# Altium PCB Driver_BLDC.PcbDoc (part 2 of 3)
Units mm, origin at the board's own origin, x right, y up, seen from the top; angles counter-clockwise.
Board outline 320 x 180.01 mm, 2 copper layers (Top Layer, Bottom Layer), stack 1.371 mm thick; 416 components, 166 nets, 1100 pads, 409 vias.
Unrouted connection lines stored in the file: 1.
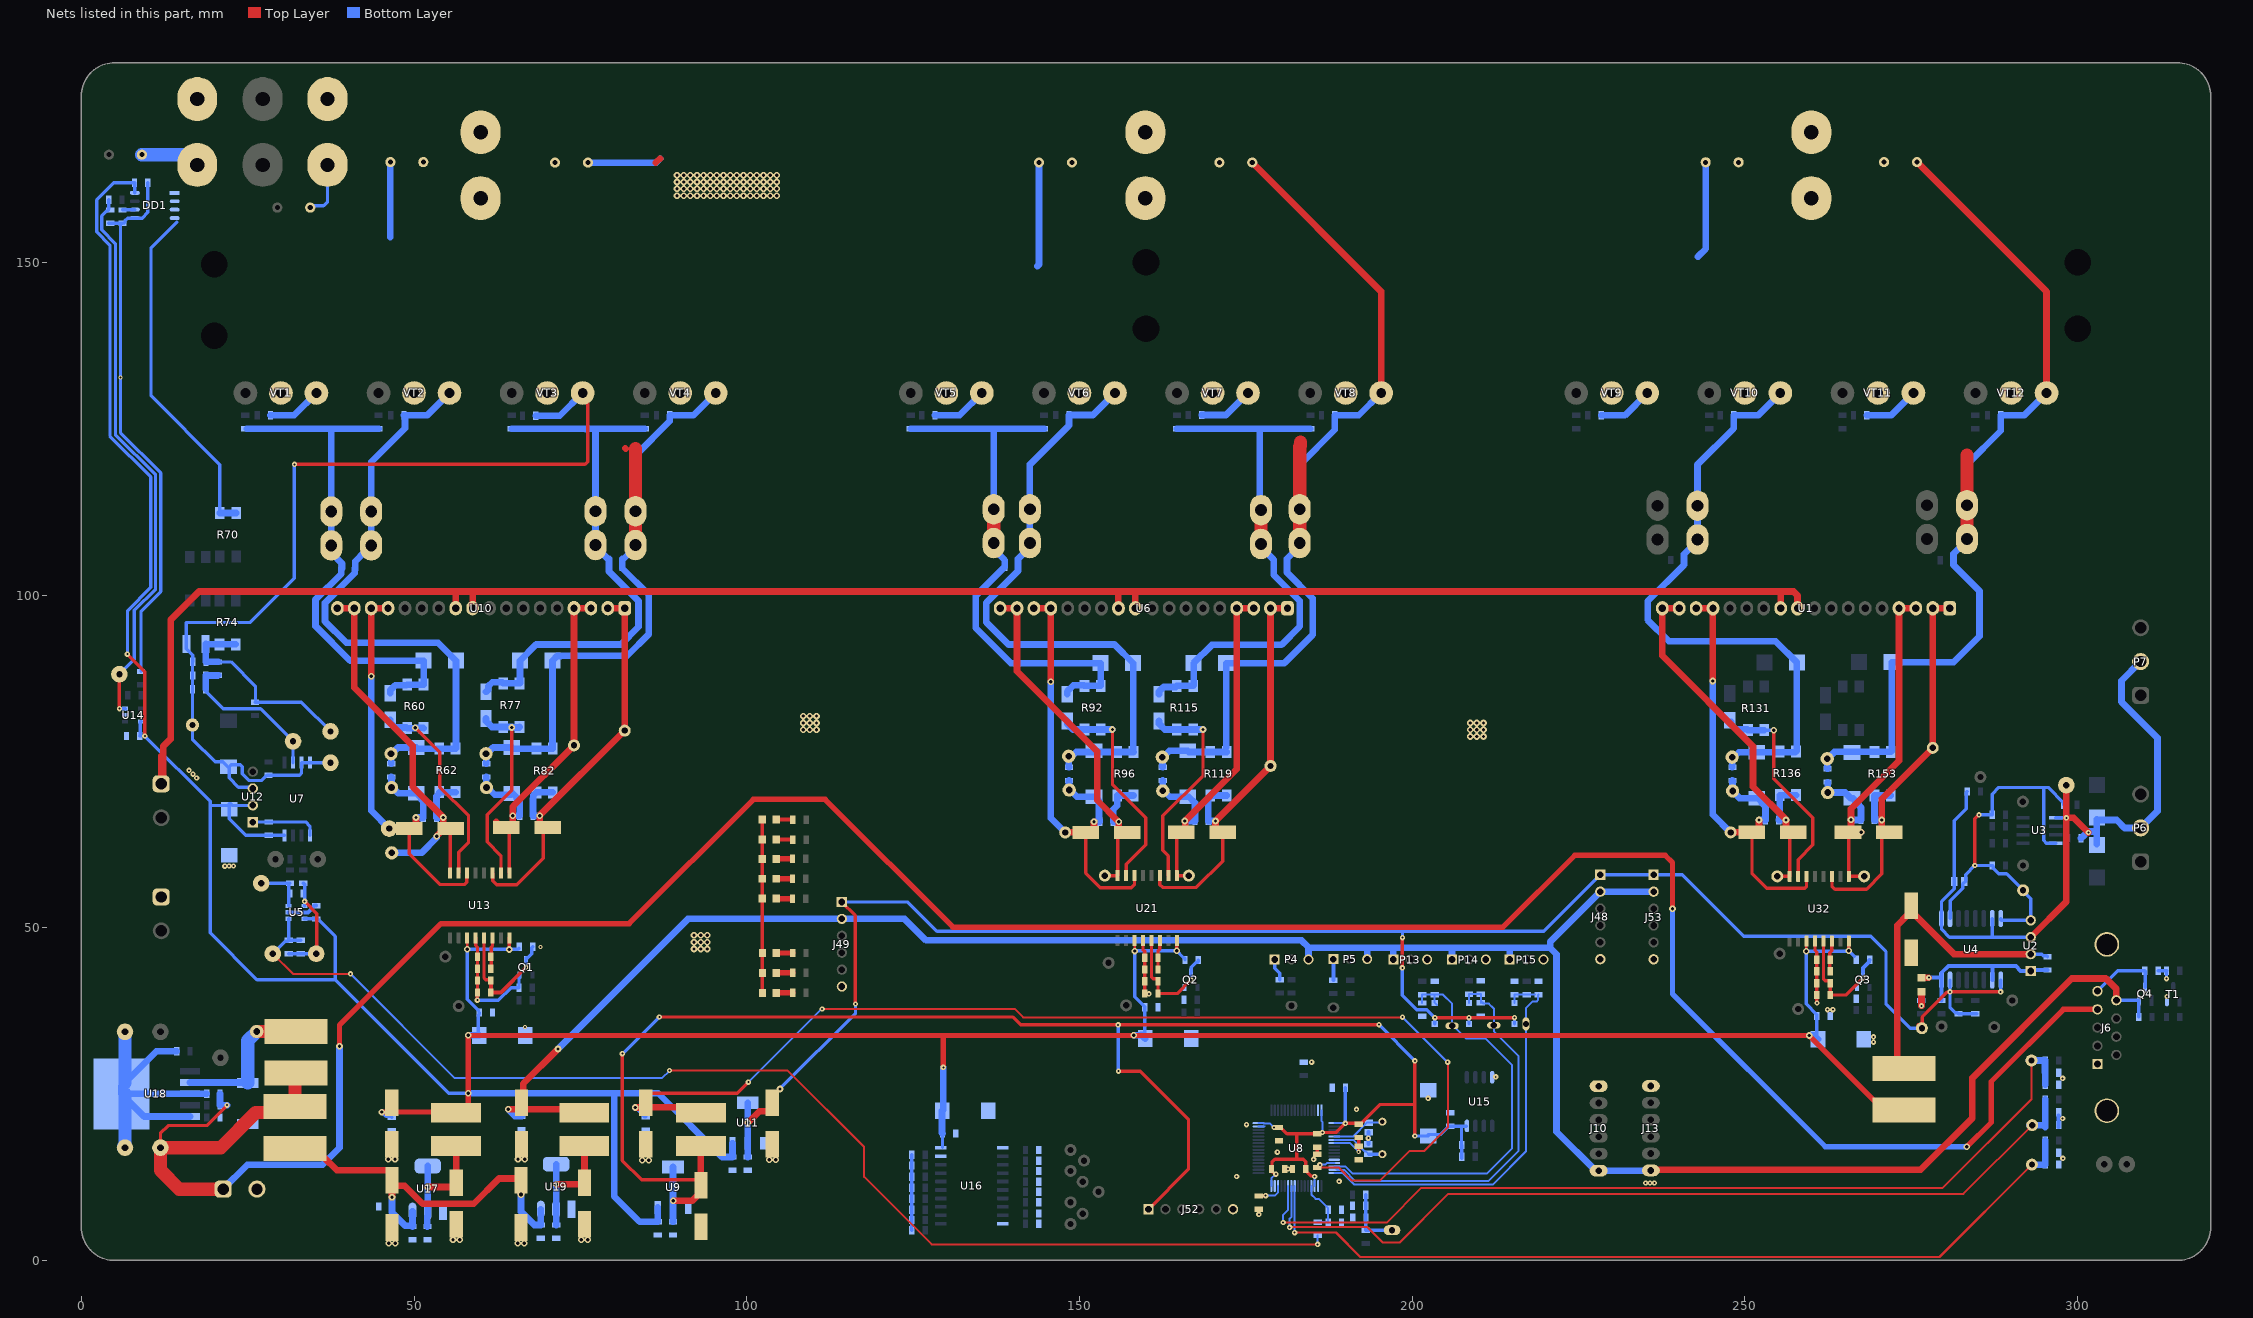
[diagram p2: the nets of this part, all layers, seen from the top]

## Via types
v1: diameter 1, hole 0.5, Top Layer to Bottom Layer, 186 vias
v2: diameter 0.8, hole 0.3, Top Layer to Bottom Layer, 159 vias
v3: diameter 0.8, hole 0.3, Top Layer to Bottom Layer, tented both sides, 29 vias
v4: diameter 1, hole 0.5, Top Layer to Bottom Layer, tented both sides, 21 vias
v5: diameter 1.27, hole 0.711, Top Layer to Bottom Layer, 4 vias
v6: diameter 9, hole 4, Top Layer to Bottom Layer, 4 vias
v7: diameter 0.6, hole 0.3, Top Layer to Bottom Layer, 3 vias
v8: diameter 2, hole 1, Top Layer to Bottom Layer, 1 vias
v9: diameter 0.7, hole 0.3, Top Layer to Bottom Layer, tented both sides, 1 vias
v10: diameter 1, hole 0.54, Top Layer to Bottom Layer, 1 vias

## Nets (pads, with @x,y where several pads share a name; then routed paths per layer and width w, separated by ;. In a path a pad name is that pad's centre, name@x,y a point inside that pad or via, vN(x,y) a via of type N, cw(c..) or ccw(c..) an arc to the next point about the centre after c; other vN are vias at no path point)
+3V3: C35.2 C37.1 D11.1 D13.1 D15.1 J48.1 J49.1 J53.1 R25.2 R28.2 TP6.1 U4.1 U4.7 U11.2 | length 288.1
  Top Layer w0.5: C37.1@103.85,23.85 103.85,24.675 104.944,25.769 v1(104.993,25.769) ; J49.1@114.3,53.87 116.325,51.845 116.325,38.575 v2(116.35,38.55) ; v2(198.525,43.975) 198.525,48.487 v2(198.538,48.5) ; v2(203.407,36.49) v2(208.532,36.49) ; v2(208.532,36.49) v2(215.375,36.49) ; TP6.1@276.033,34.9 276.033,35.441 276.279,35.441 276.662,35.824 276.662,36.607 280.365,40.311 280.768,40.311 v3(280.826,40.368) v3(288.446,40.368)
  Top Layer w1: v1(100.15,20.675) 101.9,22.425 103.35,22.425 103.85,22.925 C37.1@103.85,23.85
  Bottom Layer w0.5: v1(104.993,25.769) 116.35,37.126 v2(116.35,38.55) ; J49.1@114.3,53.87 124.18,53.87 128.589,49.461 198.538,49.461 ; v2(198.525,43.975) 198.525,39.875 200.7,37.7 202.197,37.7 v2(203.407,36.49) D13.1@203.407,35.55 ; v2(198.538,48.5) 198.538,49.461 ; D11.1@208.532,35.55 v2(208.532,36.49) ; D15.1@215.375,35.55 v2(215.375,36.49) ; TP6.1@276.609,34.9 274.849,34.9 271.2,38.549 271.2,46.434 268.934,48.7 249.85,48.7 240.59,57.96 J53.1@236.279,57.96 228.289,57.96 J48.1@228.279,57.97 219.77,49.461 198.538,49.461 ; U4.7@280.826,42.143 v3(280.826,40.368) 280.826,37.986 281.584,37.228 281.945,37.228 R25.2@282.095,37.078 R28.2@284.635,37.078 R28.2@284.86,37.078 ; v3(288.446,40.368) U4.1@288.446,42.143
  Bottom Layer w1: C35.2@100.15,15.55 U11.2@100.15,17.625 v1(100.15,20.675) U11.2@100.15,23.725
+3V3_MCU: C4.2 C5.1 C12.1 C13.1 C14.1 C15.1 C16.1 C43.1 C46.2 J52.1 L6.1 R13.1 R14.1 R58.2 U8.1 U8.19 U8.32 U8.48 U8.64 U9.2 U15.8 | length 290.2
  Top Layer w0.3: C13.1@184.007,13.517 C13.1@184.007,13.742
  Top Layer w0.5: v2(81.31,31.079) 81.31,15.015 84.2,12.125 92.375,12.125 93.125,11.375 C43.1@93.125,11.3 ; v2(86.867,36.579) 140.021,36.579 141.2,35.4 v2(155.825,35.4) 155.85,35.425 v2(195.025,35.425) ; L6.1@93.125,17.2 94.375,18.45 L6.1@96.65,18.45 ; v2(155.875,28.45) 159.157,28.45 166.384,21.224 166.384,13.704 J52.1@160.38,7.7 ; C15.1@178.926,13.817 178.926,14.752 179.377,15.203 182.669,15.203 ; C15.1@179.001,13.592 179.001,13.367 179.331,13.037 179.45,13.037 v3(179.507,12.98) ; v3(179.238,19.975) 180.225,19.975 181.179,19.021 182.669,19.021 ; C13.1@184.001,13.781 184.001,14.825 183.623,15.203 182.669,15.203 ; C13.1@184.007,13.517 184.835,12.689 185.294,12.689 v2(185.351,12.631) ; C14.1@186.19,19.171 185.891,19.171 C14.1@185.741,19.021 182.669,19.021 ; v3(186.502,19.238) 188.587,19.238 v3(189.958,20.608) 189.981,20.631 191.314,20.631 191.317,20.629 R58.2@191.982,20.629 ; R58.2@191.982,20.479 192.132,20.629 192.381,20.629 195.198,23.446 200.4,23.446 ; v2(200.4,18.7) 200.4,23.446 ; v2(200.4,30) 200.4,23.446 ; 182.669,15.203 182.669,19.021
  Top Layer w1: v1(88.975,8.96) 91.785,8.96 93.125,10.3 C43.1@93.125,11.3 ; C43.1@93.075,12.975 L6.1@93.075,17.2
  Bottom Layer w0.3: U8.48@176.91,20.631 177.651,20.631 177.665,20.618 178.595,20.618 v3(179.238,19.975) ; U8.32@178.851,11.19 178.851,12.324 v3(179.507,12.98) ; U8.19@185.351,11.19 v2(185.351,12.631) ; U8.64@186.351,22.573 186.351,20.975 186.503,20.823 v3(186.502,19.238) ; U8.1@188.294,20.631 188.297,20.634 189.933,20.634 v3(189.958,20.608)
  Bottom Layer w0.5: v2(81.31,31.079) 81.379,31.148 81.437,31.148 v2(86.867,36.579) ; v2(155.825,35.4) 155.853,35.372 155.853,28.472 v2(155.875,28.45) ; v3(189.958,20.608) C16.1@189.958,25.942 ; v2(195.025,35.425) v2@200.4,30.05 ; v2(200.4,18.7) C5.1@202.4,18.7 ; C5.1@202.4,18.921 204.25,18.921 205.35,20.02 205.35,20.025 205.5,20.175 C4.2@205.725,20.175 207.425,20.175 ; R13.1@207.425,17.4 207.425,20.175 ; R14.1@207.475,15.381 R14.1@207.475,15.574 R13.1@207.475,17.35 ; U15.8@208.17,20.175 207.425,20.175
  Bottom Layer w1: C46.2@88.925,5.825 U9.2@88.925,14.05
+3V3_REF: C17.2 C44.1 C45.2 L6.2 U8.13 | length 178
  Top Layer w0.3: v2(111.342,37.779) 140.321,37.779 141.55,36.55 198.525,36.55 v2(198.55,36.575) ; C17.2@185.741,13.975 188.975,13.975 190.95,12 195.158,12 199.583,16.425 201.775,16.425 205.35,20 205.35,29.775 v2(205.325,29.8)
  Top Layer w0.5: C44.1@84.775,23 C44.1@84.8,23.025 ; C44.1@84.8,23.675 84.8,24.382 85.55,25.132 98.577,25.132 v2(100.245,26.8)
  Top Layer w1: v1(83.225,23) C44.1@84.775,23 ; C44.1@84.8,23.025 L6.2@93.125,23.025
  Bottom Layer w0.3: v2(100.245,26.8) 111.224,37.779 v2(111.342,37.779) ; v3(186.124,14.375) 186.139,14.39 186.953,14.39 187.195,14.631 U8.13@188.292,14.631 ; v2(198.55,36.575) v2@205.311,29.814
  Bottom Layer w0.5: v1(83.225,23) 84.425,21.8 84.425,21.725 84.575,21.575 C45.2@84.8,21.575
+5: C6.2 C7.1 C19.1 C20.2 C21.1 C22.2 C23.1 C24.2 C25.2 C30.1 C36.2 C38.1 C40.2 C42.2 C51.1 C52.2 C73.2 DD1.8 L3.1 L7.2 R76.1 R104.1 R132.1 U5.5 U7.8 U9.3 U11.3 U12.2 U13.3 U13.8 U14.5 U16.20 U21.3 U21.8 U32.3 U32.8 | length 623.9
  Top Layer w0.4: U13.3@57.981,48.476 57.981,46.811 v4(58.004,46.789) ; U21.3@158.278,48.086 158.286,48.078 158.286,46.525 v4(158.316,46.496) ; v4(259.221,46.479) 259.246,46.505 259.246,47.954 U32.3@259.272,47.979
  Top Layer w0.5: v2(6.925,91.125) 9.548,88.502 v2(9.548,78.817) ; v4(64.329,46.739) 64.331,46.741 U13.8@64.331,48.476 ; v4(164.628,46.525) U21.8@164.628,48.086 ; v4(265.622,46.535) U32.8@265.622,47.979
  Top Layer w0.8: v1(45.15,22.3) 56.225,22.3 56.3,22.225 57.15,22.225 58.15,23.225 v1(58.15,25.139) v1(58.15,33.825) 58.157,33.818 129.55,33.818 ; v2(129.55,29.025) 129.55,33.818 ; L3.1@273.925,22.6 272.55,23.975 269.5,23.975 v1(259.657,33.818) 158.182,33.818 v1(158.175,33.825) 158.168,33.818 129.55,33.818
  Bottom Layer w0.5: v2(6.925,91.125) 6.95,91.15 6.95,97.675 10.45,101.175 10.45,117.75 4.3,123.9 4.3,152.6 2.3,154.6 2.3,159.375 4.872,161.947 7.97,161.947 C73.2@8.002,161.979 8.034,161.947 DD1.8@8.034,160.45 ; C40.2@8.748,78.817 8.873,78.942 8.873,80.925 8.948,81 U14.5@8.998,81 ; C40.2@8.945,78.963 8.945,78.82 8.948,78.817 v2(9.548,78.817) 19.375,68.99 19.375,68.385 ; U12.2@25.775,68.385 22.665,68.385 22.375,68.675 22.225,68.675 C30.1@22.225,68.385 ; U7.8@30.545,63.9 C38.1@28.15,63.9 24.725,63.9 22.225,66.4 C30.1@22.225,68.385 ; U5.5@33.517,51.375 33.534,51.358 35.497,51.358 35.497,51.345 35.668,51.175 35.681,51.175 38.157,48.698 38.157,42.211 ; v1(45.15,22.3) 45.775,21.675 46.511,21.675 C52.2@46.661,21.525 ; v1(58.15,25.139) 55.229,25.139 38.157,42.211 ; C24.2@59.628,37.611 58.004,39.235 v4(58.004,46.789) 58.014,46.778 64.289,46.778 v4(64.329,46.739) 64.36,46.77 65.634,46.77 65.776,46.912 R76.1@65.776,46.931 ; C19.1@59.796,33.818 59.789,33.825 59.628,33.985 59.628,36.86 59.796,37.028 C24.2@59.796,37.253 ; U16.20@129.421,16.967 C6.2@129.421,19.077 ; C21.1@159.813,33.9 159.813,36.673 159.813,38.144 158.316,39.641 v4(158.316,46.496) 158.345,46.525 v4(164.628,46.525) 165.635,45.517 165.712,45.517 165.862,45.367 R104.1@165.862,45.142 ; C23.1@260.812,33.8 C22.2@260.812,36.734 260.812,36.959 259.221,38.551 v4(259.221,46.479) 265.566,46.479 v4(265.622,46.535) R132.1@266.482,45.676 ; 19.375,68.385 C30.1@22.225,68.385 ; 19.375,68.385 19.375,49.225 26.389,42.211 38.157,42.211
  Bottom Layer w1: v1(58.15,25.139) 80.075,25.139 ; v1(58.15,33.825) C19.1@59.789,33.825 ; U9.3@86.625,7.95 C42.2@86.625,5.825 83.9,5.825 80.075,9.65 80.075,25.139 ; U11.3@97.85,17.625 C36.2@97.85,15.55 96.3,15.55 86.711,25.139 80.075,25.139 ; C7.1@129.346,22.5 129.346,19.152 C6.2@129.421,19.077 ; C7.1@129.4,22.5 129.55,22.65 v2(129.55,29.025) ; v1(158.175,33.825) 159.275,33.825 159.325,33.875 159.325,33.9 C21.1@159.875,33.35 ; v1(259.657,33.818) 260.405,33.818 C23.1@260.989,33.233
+5V_1: C66.2 C68.1 J6.9 J10.6 J13.6 J48.2 J49.2 J53.2 L4.2 P4.3 P5.3 P13.1 P14.1 P15.1 Q4.2 R48.1 | length 350.8
  Top Layer w1: v1(64.15,22.708) 65.65,22.708 66.15,23.208 66.65,22.708 L4.2@75.575,22.708 ; C68.1@66.15,23.675 66.423,23.948 66.423,26.573 v1(71.625,31.775) ; J13.6@235.865,13.65 276.425,13.65 284.195,21.42 284.195,27.445 299.128,42.378 304.249,42.378 305.825,40.802 J6.9@305.825,39.105
  Bottom Layer w0.5: J6.9@305.825,39.105 305.83,39.1 Q4.2@309.199,39.1 R48.1@309.199,36.625
  Bottom Layer w1: v1(64.15,22.708) 65.177,21.681 C66.2@66.15,21.681 ; v1(71.625,31.775) 91.18,51.33 123.72,51.33 126.95,48.1 183.375,48.1 184.411,47.064 ; P4.3@184.411,45.237 184.411,46.995 ; 184.48,46.995 193.101,46.995 ; P5.3@193.241,45.287 193.241,46.855 193.101,46.995 ; P13.1@197.177,45.225 197.177,46.995 ; P14.1@205.992,45.225 205.992,46.995 ; P15.1@214.662,45.225 214.662,46.995 ; J48.2@228.279,55.43 220.73,47.881 220.73,46.995 ; J48.2@228.289,55.42 J53.2@236.279,55.42 ; J13.6@236.475,13.5 227.547,13.5 221.7,19.347 221.7,46.025 220.73,46.995 ; 193.101,46.995 197.177,46.995 ; 197.177,46.995 205.992,46.995 ; 205.992,46.995 214.662,46.995 ; 214.662,46.995 220.73,46.995
+5V_HALL: J6.5 Q4.3 R54.2 | length 10.8
  Bottom Layer w0.5: J6.5@302.985,40.475 306.031,43.521 R54.2@310.099,43.521 ; Q4.3@310.149,41.05 R54.2@310.149,43.471
+5V_ISO: C9.1 R24.2 R26.2 R27.2 TP5.1 U2.4 U3.8 U4.10 U4.16 | length 63.4
  Top Layer w0.5: v3(284.558,59.367) 284.558,66.364 v3(285.176,66.982)
  Bottom Layer w0.5: U4.10@280.826,51.393 280.864,51.431 280.864,54.056 282.736,55.928 282.736,56.582 283.178,57.025 283.178,57.988 v3(284.558,59.367) 287.026,59.367 287.031,59.362 R27.2@287.171,59.362 ; v3@285.176,66.982 R26.2@287.176,66.982 287.176,70.081 288.176,71.081 294.902,71.081 ; R27.2@287.176,59.367 287.326,59.217 287.326,58.967 288.176,58.117 289.322,58.117 TP5.1@291.806,55.633 291.806,55.529 292.961,54.374 U2.4@292.961,51.118 288.538,51.118 288.446,51.21 U4.16@288.446,51.393 ; U3.8@296.711,62.712 295.311,62.712 294.902,63.121 294.902,71.081 ; R24.2@297.916,68.507 297.916,68.732 295.567,71.081 294.902,71.081
+5V_RS: C33.1 C34.2 L3.2 U2.2 | length 50.3
  Top Layer w1: L3.2@271.05,28.85 L3.2@273.925,28.85 ; L3.2@272.898,29.883 272.898,50.346 274.372,51.819 274.5,51.819 275,52.319 C33.1@275,53.319 ; C33.1@275,51.819 275.633,51.819 281.415,46.038 U2.2@292.961,46.038
  Bottom Layer w0.5: U2.2@292.961,46.038 294.598,46.038 294.838,45.798 295.333,45.798 C34.2@295.483,45.648
+8VDC: C49.1 C54.2 C60.2 C63.1 C72.2 L2.2 U17.3 U19.3 | length 61.1
  Top Layer w1: L2.2@32.125,16.861 33.5,15.486 36.464,15.486 38.4,13.55 46.2,13.55 C49.1@46.857,12.893 ; v1(46.7,9.5) C49.1@46.7,11 ; C49.1@47,11.2 47,11.75 C49.1@46.7,12.05 46.7,11.706 47.2,11.206 48.614,11.206 51.291,8.529 58.979,8.529 62.775,12.325 65.933,12.325 66.075,12.183 v10(66.075,9.91)
  Bottom Layer w1: v1(46.7,9.5) 46.7,7.204 48.704,5.2 49.671,5.2 C54.2@49.771,5.1 U17.3@49.77,7.405 ; v10(66.075,9.91) 66.075,7.346 68.088,5.333 C72.2@69.06,5.333 69.06,7.662 U19.3@69.056,7.667
+24V_1: C57.2 C58.1 R62.2 TP36.1 U10.17 U10.18 U13.16 | length 66.6
  Top Layer w0.5: U13.16@55.441,58.226 55.441,64.851 C58.1@55.501,64.911
  Top Layer w1: U10.18@38.481,98.029 U10.17@41.021,98.029 41.021,86.111 49.809,77.323 49.809,71.168 v4(54.406,66.571) 54.406,65.411 C58.1@54.906,64.911 ; v4(53.416,63.774) 54.001,64.36 54.001,64.411 54.501,64.911 C58.1@54.906,64.911 ; C58.1@55.501,64.911 C58.1@54.906,64.911
  Bottom Layer w1: TP36.1@46.252,61.25 51.118,61.25 53.416,63.547 v4(53.416,63.774) ; v4(54.406,66.571) 53.407,66.571 C57.2@53.366,66.531 53.366,69.77 53.791,70.195 R62.2@53.791,70.37 R62.2@56.241,70.37
+24V_2: C70.2 C71.1 R82.2 TP48.1 U10.1 U10.2 U13.11 | length 65.4
  Top Layer w0.5: U13.11@61.791,58.226 61.841,58.176 61.841,57.086 62.452,56.475 65.425,56.475 69.394,60.444 69.394,64.354 C71.1@69.739,64.698
  Top Layer w1: C71.1@69.739,64.698 C71.1@70.101,65.061 ; C71.1@69.739,65.061 69.376,65.061 C71.1@68.876,65.561 ; C71.1@70.125,65.084 C71.1@70.137,65.073 ; U10.2@79.121,98.029 U10.1@81.661,98.029 TP48.1@81.661,79.635 v4(68.876,66.851) ; C71.1@68.876,65.561 v4(68.876,66.851) ; C71.1@68.876,65.561 v4(68.876,66.851)
  Bottom Layer w1: v4(68.876,66.851) 67.917,66.851 C70.2@67.876,66.811 67.876,69.413 67.926,69.463 67.926,69.881 R82.2@68.401,70.356 R82.2@70.851,70.356
+24V_3: C86.2 C88.1 R96.2 TP50.1 U6.17 U6.18 U21.16 | length 59.5
  Top Layer w0.5: TP50.1@153.823,57.836 U21.16@155.738,57.836 155.738,63.511 C88.1@156.488,64.261 ; C88.1@155.893,65.071 156.643,64.321 C88.1@157.156,64.321
  Top Layer w1: U6.18@138.074,98.01 U6.17@140.614,98.01 140.614,88.555 152.664,76.505 152.664,69.16 v4(155.893,65.931) C88.1@155.893,65.071
  Bottom Layer w0.5: C86.2@155.073,65.95 C86.2@155.083,65.94 ; v4@155.883,65.94 v4(155.893,65.931)
  Bottom Layer w1: C86.2@155.073,65.95 155.073,67.78 155.678,68.385 R96.2@155.678,69.866 R96.2@158.128,69.866 ; C86.2@155.083,65.94 v4@155.883,65.94
+24V_4: C102.2 C104.1 R119.2 TP53.1 U6.1 U6.2 U21.11 | length 64.7
  Top Layer w0.5: U21.11@162.088,57.836 162.088,56.476 162.51,56.054 167.579,56.054 171.528,60.003 C104.1@171.528,64.331
  Top Layer w1: C104.1@171.528,64.331 170.948,64.331 170.448,64.831 v1(170.448,66.051) TP53.1@178.714,74.317 U6.2@178.714,98.01 U6.1@181.254,98.01
  Bottom Layer w1: C102.2@169.353,66.05 v1(170.448,66.051) ; C102.2@169.353,66.175 169.353,69.366 169.678,69.691 R119.2@169.678,69.866 R119.2@172.128,69.866
+24V_5: C115.2 C117.1 R136.2 TP56.1 U1.17 U1.18 U32.16 | length 60.5
  Top Layer w0.5: TP56.1@254.871,57.729 U32.16@256.732,57.729 256.732,63.804 C117.1@257.282,64.354
  Top Layer w1: U1.17@240.132,98.01 U1.18@237.592,98.01 237.592,90.891 251.231,77.252 251.231,71.2 256.187,66.244 256.187,64.854 256.687,64.354 C117.1@257.282,64.354
  Bottom Layer w1: C115.2@255.107,66.184 v4(256.187,66.184) ; C115.2@255.232,66.334 R136.2@255.232,69.939 R136.2@257.682,69.939
+24V_6: C138.2 C139.1 R153.2 TP58.1 U1.1 U1.2 U32.11 | length 64.6
  Top Layer w0.5: U32.11@263.082,57.729 263.082,56.254 263.536,55.8 268.279,55.8 270.564,58.085 270.564,63.604 270.991,64.031 271.388,64.031 C139.1@271.712,64.354
  Top Layer w1: C139.1@271.727,64.34 C139.1@271.712,64.354 271.064,64.354 270.564,64.854 v1(270.564,66.204) 270.564,69.364 TP58.1@278.232,77.032 U1.2@278.232,98.01 U1.1@280.772,98.01
  Bottom Layer w1: v1(270.564,66.204) 269.457,66.204 269.473,66.22 R153.2@269.473,69.879 R153.2@271.923,69.879
"+650 VDC": C78.2 C81.2 C84.2 DD1.3 DD1.4 R70.2 VT1.2 VT2.2 VT5.2 VT6.2 VT9.2 VT10.2 | length 93.7
  Bottom Layer w0.5: 14.321,156.021 10.475,152.175 10.475,129.925 20.825,119.575 R70.2@20.825,112.325
  Bottom Layer w1: R70.2@20.825,112.325 R70.2@23.275,112.325 ; 46.451,153.75 C78.2@46.451,165.054 ; 143.637,149.388 143.919,149.67 C81.2@143.919,165.004 ; 242.951,150.861 244.108,152.018 C84.2@244.108,165.034
+V_Servo: C55.1 C59.2 J6.4 L1.2 L2.1 P9.1 R67.2 | length 429.4
  Top Layer w0.5: C55.1@11.898,16.963 11.898,19.096 13.077,20.275 18.831,20.275 v2(21.894,23.338)
  Top Layer w0.8: v1(38.8,32.2) 38.8,35.375 54.05,50.625 82.325,50.625 101,69.3 111.775,69.3 130.975,50.1 213.65,50.1 224.45,60.9 238.025,60.9 239.129,59.796 v1(239.129,52.88) ; v1(283.35,17.1) 283.375,17.1 287.025,20.75 287.025,26.9 297.86,37.735 J6.4@302.985,37.735
  Top Layer w2: P9.1@21.31,10.725 14.7,10.725 11.898,13.527 C55.1@11.898,16.963 20.946,16.963 26.219,22.236 31.25,22.236 L2.1@32.125,23.111 L1.2@32.125,28.025
  Bottom Layer w0.8: v1(239.129,52.88) 239.129,40.046 262.075,17.1 v1(283.35,17.1)
  Bottom Layer w1: C59.2@20.848,25.04 R67.2@20.848,23.338 v2(21.894,23.338) ; P9.1@21.31,10.725 24.96,14.375 36.233,14.375 38.8,16.942 v1(38.8,32.2)
GND: C1.1 C2.1 C3.1 C4.1 C5.2 C6.1 C7.2 C8.2 C10.2 C12.2 C13.2 C14.2 C15.2 C16.2 C17.1 C18.1 C19.2 C20.1 C21.2 C22.1 C23.2 C24.1 C25.1 C28.1 C30.2 C33.2 C34.1 C35.1 C36.1 C37.2 C38.2 C40.1 C41.1 C42.1 C43.2 C44.2 C45.1 C46.1 C47.2 C48.1 C49.2 C50.2 C51.2 C52.1 C53.1 C54.1 C55.2 C56.1 C59.1 C60.1 C63.2 C64.1 C65.1 C66.1 C67.2 C68.2 C69.1 C72.1 C73.1 C74.1 C75.1 C87.1 C89.1 C90.1 C97.1 C98.1 C126.1 C127.1 D1.2 D2.2 D3.2 D4.2 D5.2 D6.2 D7.2 D8.2 D9.2 D10.2 DD1.5 J6.1 J6.MH1 J6.MH2 J10.1 J13.1 J48.6 J49.6 J52.6 J53.6 P4.1 P5.1 P8.1 P9.2 P10.1 P13.3 P14.3 P15.3 Q1.2 Q2.2 Q3.2 R4.2 R5.2 R6.2 R15.1 R16.1 R17.1 R18.1 R19.1 R20.1 R21.1 R29.1 R30.1 R31.1 R33.1 R34.1 R35.1 R37.1 R40.1 R42.1 R43.1 R44.1 R45.1 R52.2 R54.1 R56.2 R59.1 R65.1 R66.1 R68.1 R72.1 R73.1 R88.2 R107.1 R108.1 R113.2 R123.2 R124.2 R125.2 R143.2 R146.1 R147.1 T1.2 U1.10 U1.11 U2.1 U4.2 U4.8 U5.2 U6.10 U6.11 U7.5 U8.12 U8.18 U8.31 U8.47 U8.63 U9.1 U10.10 U10.11 U11.1 U12.1 U13.4 U14.2 U15.4 U16.1 U16.10 U16.19 U17.1 U18.3 U18.5 U18.6 U19.1 U21.4 U32.4 | length 553.5
  Top Layer w0.5: U13.4@59.251,48.476 59.257,48.471 59.257,47.377 59.532,47.101 R73.1@59.532,42.062 59.532,40.282 59.523,40.273 59.523,39.133 v2(59.504,39.114) ; U21.4@159.548,48.086 159.548,46.711 159.813,46.446 C98.1@159.813,45.491 R107.1@159.813,43.721 C97.1@159.813,40.118 159.842,40.089 160.421,40.089 v2(160.45,40.061) ; C17.1@185.741,15.975 C14.2@185.741,17.021 ; U32.4@260.542,47.979 260.542,46.603 260.812,46.333 C127.1@260.812,45.175 ; C127.1@260.807,45.17 R146.1@260.807,43.45 R147.1@260.807,41.67 260.807,39.9 260.825,39.882 260.825,38.701 v2(260.837,38.688)
  Top Layer w0.6: D9.2@102.33,66.254 D7.2@102.33,63.245 D3.2@102.33,60.366 D2.2@102.33,57.366 D1.2@102.33,54.366 102.33,40.241 D4.2@102.355,40.216 D4.2@102.414,40.157
  Top Layer w1: 12,75.825 P8.1@12,71.619 12.301,71.92 12.301,75.825 12.301,77.241 13.425,78.365 13.425,96.275 17.675,100.525 56.317,100.525 ; U10.11@56.261,98.029 56.261,100.469 56.317,100.525 ; U10.10@58.801,98.029 58.801,100.205 59.121,100.525 ; U6.11@155.854,98.01 155.854,100.525 ; U6.10@158.554,98.17 U6.10@158.394,98.01 158.394,100.205 158.714,100.525 ; U1.11@255.372,98.01 255.372,100.516 255.38,100.525 ; U1.10@257.912,98.01 257.912,99.939 257.326,100.525 255.38,100.525 ; D8.2@276.541,42.468 276.581,42.508 v3(277.651,42.508) ; 56.317,100.525 59.121,100.525 ; 59.121,100.525 155.854,100.525 ; 155.854,100.525 158.714,100.525 ; 158.714,100.525 255.38,100.525
  Bottom Layer w0.3: U8.47@176.912,20.129 177.804,20.129
  Bottom Layer w0.5: C74.1@4.129,155.874 C74.1@4.354,155.874 5.9,155.874 C75.1@6.183,155.874 ; C75.1@6.05,155.874 5.9,155.724 5.9,132.752 5.875,132.727 5.875,124.425 11.95,118.35 11.95,100.525 8.975,97.55 R66.1@8.975,88.512 ; C75.1@6.408,155.874 6.558,156.024 6.558,156.249 6.949,156.64 DD1.5@8.034,156.64 9.143,156.64 10.002,157.499 C73.1@10.002,161.979 ; U12.1@25.719,65.789 U12.1@25.775,65.845 25.83,65.9 C38.2@28.15,65.9 33.705,65.9 34.355,65.25 U7.5@34.355,63.9 ; v2(59.504,39.114) 62.682,39.114 64.572,41.004 R88.2@65.784,41.004 65.784,42.379 65.834,42.429 65.834,42.864 Q1.2@65.884,42.914 ; R33.1@124.82,4.522 R34.1@124.82,6.077 R35.1@124.82,7.622 R37.1@124.82,9.292 R42.1@124.82,10.932 R43.1@124.82,12.577 R44.1@124.82,14.267 R45.1@124.82,15.886 ; P4.1@179.331,45.237 179.331,43.894 180.081,43.144 R29.1@180.081,42.193 ; R54.1@312.099,43.521 R56.2@313.374,43.521 v2(313.374,42.354)
  Bottom Layer w0.6: U5.2@31.165,52.325 34.069,52.325 34.495,52.751 34.495,52.752 35.068,53.325 C25.1@35.293,53.325 ; R30.1@188.161,42.127 P5.1@188.161,45.287 ; C10.2@193.414,17.469 v3(193.414,18.386) C8.2@193.414,19.304 ; v3(277.651,42.508) 279.509,42.508 279.556,42.462 U4.8@279.556,42.143 ; R40.1@279.555,39.078 U4.8@279.556,42.143 ; U4.2@287.176,42.143 287.176,44.238 ; C34.1@295.483,43.648 293.111,43.648 U2.1@292.961,43.498 291.451,43.498 290.711,44.238 287.176,44.238 ; C2.1@297.15,20.034 R5.2@297.15,21.822 ; U4.8@279.556,42.143 279.575,42.162 279.575,43.237 280.575,44.238 287.176,44.238